# Altium PCB nixie_clock.PcbDoc (part 1 of 2)
Units mm, origin at the board's own origin, x right, y up, seen from the top; angles counter-clockwise.
Board outline 218 x 79.99 mm, 2 copper layers (Top Layer, Bottom Layer); 125 components, 140 nets, 531 pads, 92 vias.
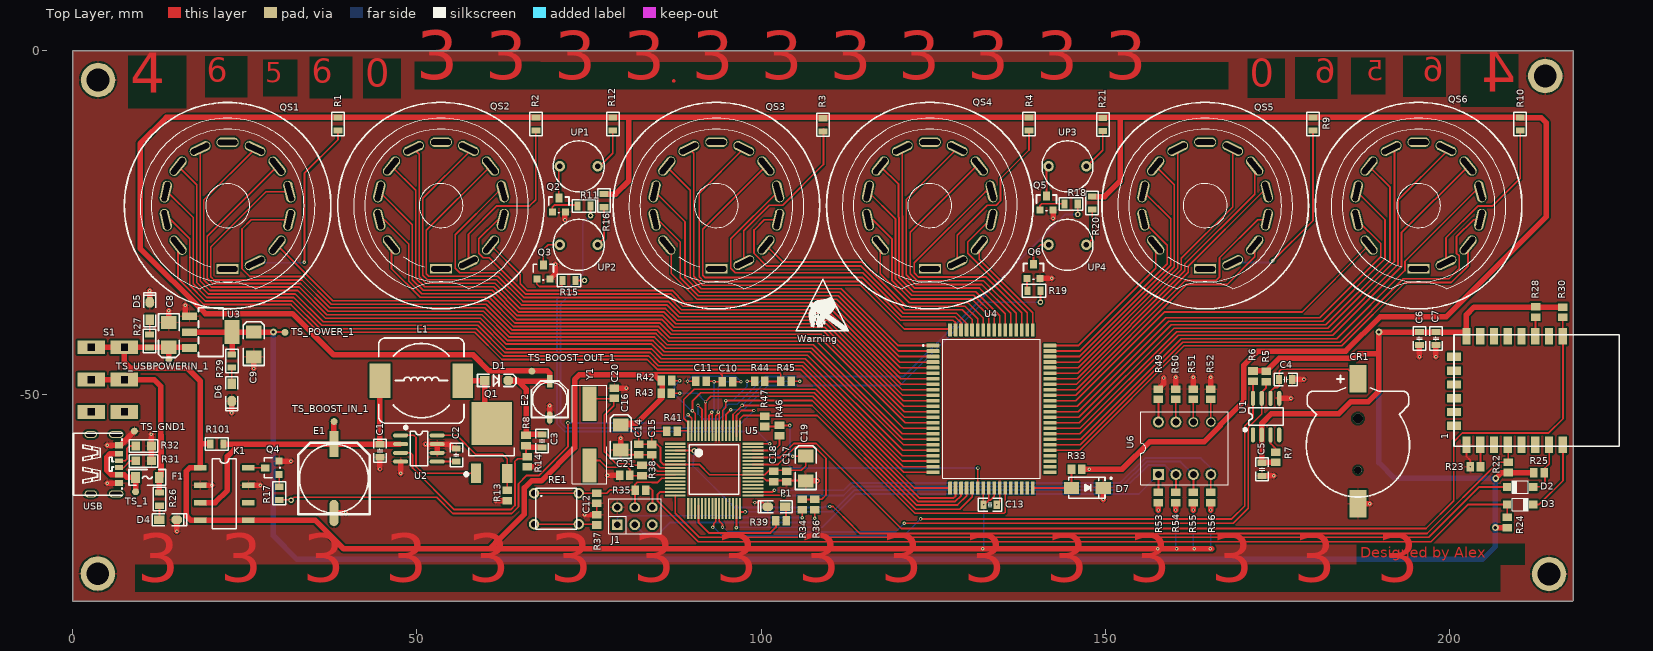
[diagram p0: Top Layer view]
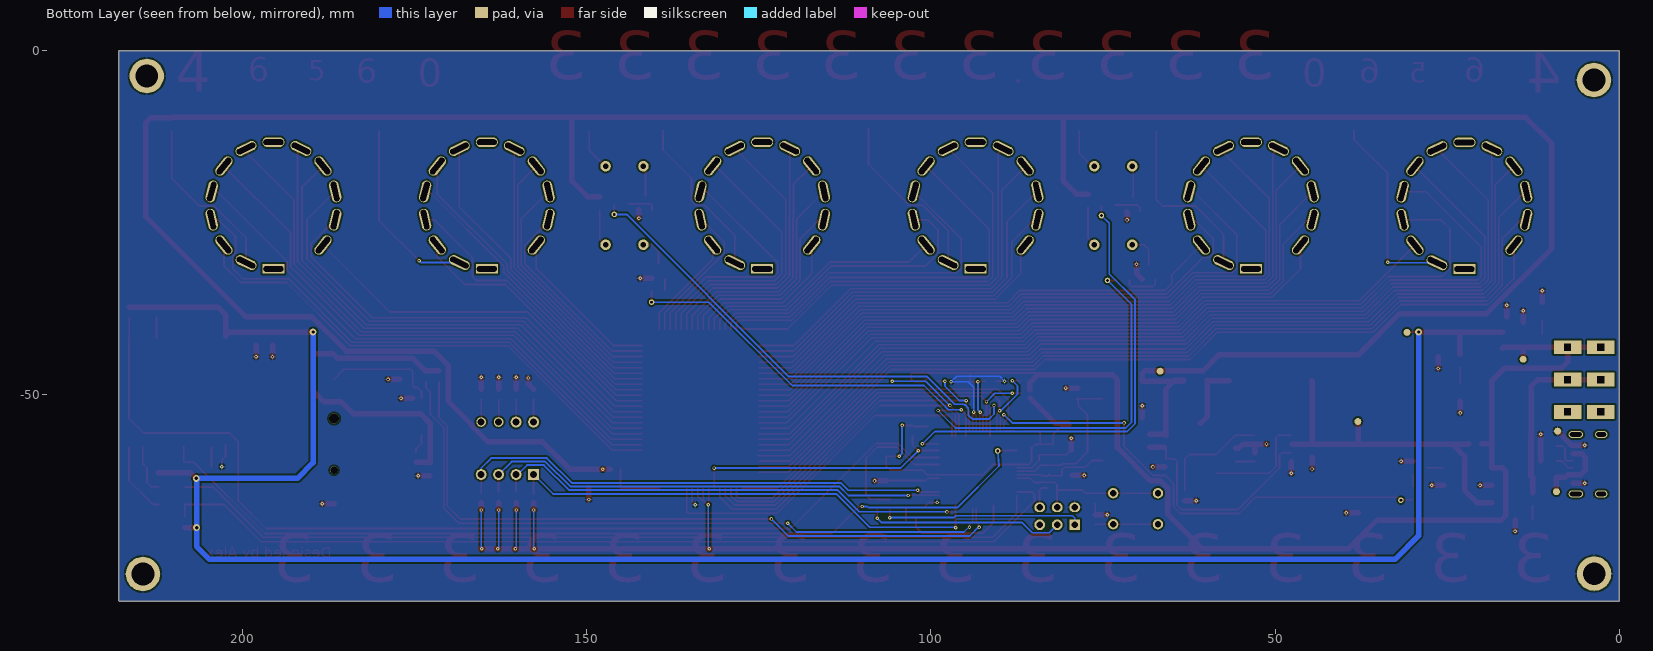
[diagram p1: Bottom Layer view, seen from below]

## Layer stack, top to bottom
Top Solder: solder mask 0.0102, Solder Resist, Dk 3.5
Top Layer: signal copper 0.0356
Dielectric 1: dielectric 0.32, FR-4, Dk 4.8
Bottom Layer: signal copper 0.0356
Bottom Solder: solder mask 0.0102, Solder Resist, Dk 3.5

## Board outline
0,-80 217.88,-80 218,-79.88 218,-0.006 0,-0.006

## Design rules (kind name [scope] priority, off if disabled: settings)
Clearance [All] p1: gap=0.254 ignorepadtopadclearanceinfootprint=FALSE except(0: Arc-Hole Track-Hole SMDPad-Hole THPad-Hole Via-Hole Fill-Hole Poly-Hole Region-Hole Text-Hole)
PolygonConnect [All] p1: connectstyle=Relief reliefconductorwidth=0.254 reliefentries=4 polygonreliefangle="90 Angle" airgapwidth=0.254
RoomDefinition NiXie_tube_clock [InComponentClass('NiXie_tube_clock')] p1: confinementstyle=ConfineIn formatcopy=TRUE lockcomponents=FALSE outline 231.14,-73.482 242.189,-73.482 242.189,-62.56 231.14,-62.56
RoutingVias [All] p1: holewidth=0.25 width=0.5 viastyle="Through Hole" minholewidth=0.25 minwidth=0.5 maxholewidth=0.25 maxwidth=0.5
SolderMaskExpansion [All] p1: expansion=0.102
Width [All] p1: maxlimit=0.254 minlimit=0.254 preferedwidth=0.254
Width power [InNetClass('power')] p2: maxlimit=0.8 minlimit=0.8 preferedwidth=0.8
30 further rules are at their usual default settings.

## Classes and differential pairs
net class power: 3.3V +5VDC GND NetD1_1 NetF1_1 NetF1_2 VCC VCC_SWITCH VH

## Components (designator, comment, footprint, x,y, rotation, side; value= is the part's Value field where it differs from the comment)
1 "ESP8266" ESP8266 202.458,-57.478 r90 top
C1 "104/20+V" "C 0805_L" 44.628,-58.115 r270 top
C2 "104" "C 0805_L" 55.728,-58.725 r270 top
C3 "100PF" "C 0805_L" 68.174,-56.683 r90 top
C4 "104" "C 0805_L" 176.2,-47.752 r180 top
C5 "104" "C 0805_L" 172.771,-60.808 r90 top
C6 "1uF" "C 0805_L" 195.631,-41.808 r270 top
C7 "104" "C 0805_L" 198.018,-41.808 r270 top
C8 "10uF" "CD B(3528)" 13.97,-41.275 r90 top
C9 "10uF" "CD B(3528)" 26.289,-42.672 r270 top
C10 "100nF" C0805 95.098,-48.082 r0 top
C11 "100nF" C0805 91.276,-48.006 r180 top
C12 "0.1uF" C0805 76.124,-65.024 r90 top
C13 "104" "C 0805_L" 133.274,-65.964 r180 top
C14 "100nF" C0805 82.22,-57.937 r270 top
C15 "10nF" C0805 84.099,-57.963 r270 top
C16 "10uF" "CD B(3528)" 79.604,-56.185 r270 top
C17 "100nF" C0805 103.708,-61.849 r270 top
C18 "10nF" C0805 101.854,-61.874 r270 top
C19 "10uF" "CD B(3528)" 106.477,-60.706 r270 top
C20 "22pF" C0805 78.689,-49.759 r270 top
C21 "22pF" C0805 80.188,-61.697 r0 top
CR1 "1220" CR1220_A 186.69,-57.342 r90 top
D1 "IN5817-22" SOD-123#1 61.544,-47.904 r0 top
D2 "MBR0520" SOD-123#2 210.261,-63.398 r0 top
D3 "MBR0520" SOD-123#2 210.261,-65.913 r180 top
D4 "LED2" "LED 0805G" 13.868,-68.123 r0 top
D5 "LED2" "LED 0805G" 11.176,-37.846 r90 top
D6 "LED2" "LED 0805G" 23.114,-49.657 r270 top
D7 "1SMA5945BT3G" SMA 147.396,-63.5 r0 top
E1 "220uF/20+V" "CT 10*8 - C" 37.948,-62.154 r90 top
E2 "300uF/350V" "CT 5*6 - C" 69.291,-50.648 r90 top
F1 "Fuse 1" "FU 1206" 10.846,-62.001 r0 top
J1 "BDM" PIN6 81.813,-67.767 r90 top
K1 "Relay-G6K-Y-TR DC5" G6K-2F 18.527,-60.579 r0 top
L1 "220uH" CDRH129 50.648,-47.93 r0 top
P1 "电源指示" "LED 0805R" 102.235,-66.243 r180 top
Q1 "MTD20N03HDL" TO252 60.858,-58.353 r0 top
Q2 "A42" SOT23 69.548,-23.435 r0 top
Q3 "A42" SOT-23 68.377,-32.156 r0 top
Q4 "A42" SOT-23 28.981,-60.579 r90 top
Q5 "A42" SOT-23 141.453,-22.123 r0 top
Q6 "A42" SOT-23 139.573,-32.055 r0 top
QS1 "QS30-1" QS30-1 22.5,-22.525 r0 top locked
QS2 "QS30-1" QS30-1 53.5,-22.5 r0 top locked
QS3 "QS30-1" QS30-1 93.5,-22.5 r0 top locked
QS4 "QS30-1" QS30-1 124.5,-22.5 r0 top locked
QS5 "QS30-1" QS30-1 164.5,-22.5 r0 top locked
QS6 "QS30-1" QS30-1 195.5,-22.5 r0 top locked
R1 "20K" "R 0805_L" 38.532,-10.658 r90 top
R2 "20K" "R 0805_L" 67.285,-10.668 r90 top
R3 "20K" "R 0805_L" 108.991,-10.77 r90 top
R4 "20K" "R 0805_L" 138.913,-10.643 r90 top
R5 "10K" C0805 173.355,-47.332 r90 top
R6 "10K" C0805 171.45,-47.281 r90 top
R7 "10K" C0805 174.777,-59.055 r90 top
R8 "1.8M" C0805 65.837,-56.632 r90 top
R9 "20K" "R 0805_L" 180.162,-10.668 r90 top
R10 "20K" "R 0805_L" 210.261,-10.668 r90 top
R11 "33K" "R 0805_L" 74.27,-22.581 r180 top
R12 "100K" "R 0805_L" 78.461,-10.643 r270 top
R13 "40mR" C0805 63.144,-64.618 r90 top
R14 "16K" C0805 66.04,-59.715 r90 top
R15 "33K" "R 0805_L" 72.085,-33.376 r180 top
R16 "100K" "R 0805_L" 77.165,-21.793 r270 top
R17 "33K" "R 0805_L" 29.997,-64.298 r90 top
R18 "33K" "R 0805_L" 145.034,-22.276 r180 top
R19 "33K" "R 0805_L" 139.624,-34.874 r180 top
R20 "100K" "R 0805_L" 148.082,-22.149 r270 top
R21 "100K" "R 0805_L" 149.631,-10.719 r270 top
R22 "1K" C0805 208.509,-60.528 r270 top
R23 "1K" C0805 203.747,-60.427 r180 top
R24 "5.6K" C0805 208.382,-68.543 r90 top
R25 "5.6K" C0805 213.004,-61.316 r0 top
R26 "1K" "R 0805_L" 12.598,-65.151 r270 top
R27 "1K" "R 0805_L" 11.151,-42.164 r90 top
R28 "1K" C0805 212.496,-37.973 r270 top
R29 "604R" "R 0805_L" 23.114,-45.085 r270 top
R30 "1K" C0805 216.459,-37.998 r270 top
R31 "5K1" "R 0805_M" 10.287,-59.588 r0 top
R32 "5K1" "R 0805_M" 10.287,-57.429 r180 top
R33 "240K" C0805 145.833,-60.808 r180 top
R34 "51R" C0805 105.969,-65.938 r270 top
R35 "10K" C0805 82.474,-63.83 r0 top
R36 "51R" C0805 107.798,-65.938 r270 top
R37 "100R" C0805 76.098,-68.148 r90 top
R38 "1M" C0805 82.702,-60.985 r270 top
R39 "1K" C0805 102.87,-68.301 r0 top
R41 "1K" C0805 87.046,-55.296 r180 top
R42 "1K" C0805 86.245,-47.904 r180 top
R43 "1K" C0805 86.22,-49.759 r180 top
R44 "1K" C0805 99.797,-48.006 r0 top
R45 "1K" C0805 103.607,-48.006 r180 top
R46 "1K" C0805 102.667,-55.194 r90 top
R47 "1K" C0805 100.508,-53.848 r270 top
R49 "10K" C0805 157.709,-49.911 r90 top
R50 "10K" C0805 160.24,-49.911 r90 top
R51 "10K" C0805 162.772,-49.911 r90 top
R52 "10K" C0805 165.303,-49.911 r90 top
R53 "100K" C0805 157.683,-64.91 r90 top
R54 "100K" C0805 160.223,-64.91 r90 top
R55 "100K" C0805 162.763,-64.91 r90 top
R56 "100K" C0805 165.303,-64.91 r90 top
R101 "0R" "R 0805_L" 20.93,-57.125 r180 top
RE1 "SW DIP-2" 6MManjian 67.234,-64.414 r0 top
S1 "SK-22D02" 钮子开关6脚3档 7.518,-52.477 r180 top
TS_1 "12x16" TP_ROUND 9.131,-64.072 r90 top
TS_BOOST_IN_1 "12x16" TP_ROUND 37.973,-53.873 r90 top
TS_BOOST_OUT_1 "12x16" TP_round 66.7,-46.558 r90 top
TS_GND1 "12x16" TP_round 8.966,-55.27 r90 top
TS_POWER_1 "12x16" TP_round 30.836,-40.919 r90 top
TS_USBPOWERIN_1 "12x16" TP_round 13.97,-44.831 r90 top
U1 "DS3231MZ+" SOIC-8 173.355,-53.162 r90 top
U2 "MAX1771CSA+" SOIC-8 50.292,-57.785 r0 top
U3 "AMS1117-3.3" SOT-223-3_L6.5-W3.4-P2.30-LS7.0-BR 20.066,-40.894 r180 top
U4 "HV57708PG" QFP80P2390X1790X340-80N 133.452,-52.045 r0 top locked
U5 "MC9S08DZ60" "64-LQFP-10 - duplicate" 87.512,-57.097 r0 top
U6 "DIP4" DIP4C 160.542,-57.783 r0 top
UP1 "Neon" Neon 73.5,-16.8 r0 top locked
UP2 "Neon" Neon 73.5,-28.2 r0 top locked
UP3 "Neon" Neon 144.5,-16.8 r0 top locked
UP4 "Neon" Neon 144.5,-28.2 r0 top locked
USB "KH-TYPE-C-6P" TYPE-C-SMD_TYPE-C-31-M-16 4.674,-60.071 r270 top (schematic designator USB_TYPEC_6P)
Warning "12x16" ICO1 108.763,-37.871 r0 top (schematic designator TS_GND?)
Y1 "4MHZ" 4M2P 74.905,-54.889 r270 top

## Footprints (in the part's own frame and the unit in brackets; to place one, negate y for a bottom-side part, rotate by r counter-clockwise, add the part's x,y. Pads: shape width x height; smd on the part's side, far side on the other; paste and mask are expansions set on the pad)
4M2P [mm]
  rect 5x2 smd: 1(-3.628,0.156) 2(5.372,0.156)
  silkscreen extent -6.32,-2.34 8.04,2.66
6MManjian [mm]
  round 1.5 hole 0.9: 1(-0.22,0.13) 2(6.28,0.13) 3(-0.22,-4.37) 4(6.28,-4.37)
  silkscreen extent 0.01,-5.13 5.99,0.88
"64-LQFP-10 - duplicate" [mm]
  rect 3x0.3 smd: 1(0,0) 2(0,-0.5) 3(0,-1) 4(0,-1.5) 5(0,-2) 6(0,-2.5) 7(0,-3) 8(0,-3.5) 9(0,-4) 10(0,-4.5) 11(0,-5) 12(0,-5.5) 13(0,-6) 14(0,-6.5) 15(0,-7) 16(0,-7.5) 33(11.3,-7.5) 34(11.3,-7) 35(11.3,-6.5) 36(11.3,-6) 37(11.3,-5.5) 38(11.3,-5) 39(11.3,-4.5) 40(11.3,-4) 41(11.3,-3.5) 42(11.3,-3) 43(11.3,-2.5) 44(11.3,-2) 45(11.3,-1.5) 46(11.3,-1) 47(11.3,-0.5) 48(11.3,0)
  rect 0.3x3 smd: 17(1.9,-9.4) 18(2.4,-9.4) 19(2.9,-9.4) 20(3.4,-9.4) 21(3.9,-9.4) 22(4.4,-9.4) 23(4.9,-9.4) 24(5.4,-9.4) 25(5.9,-9.4) 26(6.4,-9.4) 27(6.9,-9.4) 28(7.4,-9.4) 29(7.9,-9.4) 30(8.4,-9.4) 31(8.9,-9.4) 32(9.4,-9.4) 49(9.4,1.9) 50(8.9,1.9) 51(8.4,1.9) 52(7.9,1.9) 53(7.4,1.9) 54(6.9,1.9) 55(6.4,1.9) 56(5.9,1.9) 57(5.4,1.9) 58(4.9,1.9) 59(4.4,1.9) 60(3.9,1.9) 61(3.4,1.9) 62(2.9,1.9) 63(2.4,1.9) 64(1.9,1.9)
  silkscreen extent 2.03,-7.36 9.26,-0.14
C0805 [mm] "Chip Capacitor, Body 2.0x1.3mm, IPC High Density"
  rect 1.1x1.4 smd: 1(-0.75,0) 2(0.75,0)
  body extent -1.1,-0.72 1.1,0.72, height 1.4
"C 0805_L" [mil] "无极性贴片电容                                        淘宝ID:黄晶宝石"
  rect 35x50 smd: 1(-37.4,0) 2(37.4,0)
  silkscreen extent -67,-36 67,36, body extent -39,-24 39,24, height 20
"CD B(3528)" [mil] "长3.5mm，宽2.8mm，厚1.9mm      淘宝ID:黄晶宝石"
  rect 75x90 smd: 1(-70.87,-0.01) 2(70.86,-0.01)
  silkscreen extent -130,-60 120,60, body extent -69,-55 69,55, height 75
CDRH129 [mm] "12*12*9.5mm（长宽高）"
  rect 3x5 smd: 1(-6,0) 2(6,0)
  silkscreen extent -6.2,-6.2 6.2,6.2, body extent -6,-6 6,6, height 9.65
CR1220_A [mm] "纽扣电池座                         淘宝ID:黄晶宝石"
  round 1.1 hole 1.1: 0(-3.6,0)
  round 1.45 hole 1.45: 0(3.9,0)
  rect 4x2.5 smd: 1(9.652,0) 2(-8.458,0)
  silkscreen extent -7.5,-7.5 10.16,7.5, body extent -9.42,-7.45 10.34,7.45, height 4.05
"CT 5*6 - C" [mm] "直径5mm，高6mm                           淘宝ID:黄晶宝石"
  rect 1.8x0.8 smd: 1(2.65,0)
  oval 1.8x0.8 smd: 2(-2.65,0)
  silkscreen extent -2.65,-2.65 2.65,2.65, body extent -2.95,-2.65 2.95,2.65, height 6
"CT 10*8 - C" [mm] "直径10mm，高8mm"
  rect 3.8x1.3 smd: 1(5,0)
  oval 3.8x1.3 smd: 2(-5,0)
  silkscreen extent -5.2,-5.2 5.2,5.2, body extent -5.8,-5.15 5.8,5.15, height 8
DIP4C [mm]
  rect 1.575x1.575 hole 1: 1(-2.833,-3.787)
  round 1.575 hole 1: 2(-0.293,-3.787) 3(2.247,-3.787) 4(4.787,-3.787) 7(-0.293,3.833) 8(-2.833,3.833)
  round 1.4 hole 1: 5(4.787,3.833) 6(2.247,3.833)
  silkscreen extent -5.37,-5.31 7.33,5.35
ESP8266 [mm]
  rect 2.4x1.2 smd: 1(0.2,0) 2(0.2,-2) 3(0.2,-4) 4(0.2,-6) 5(0.2,-8) 6(0.2,-10) 7(0.2,-12) 8(0.2,-14) 9(16,-14) 10(16,-12) 11(16,-10) 12(16,-8) 13(16,-6) 14(16,-4) 15(16,-2) 16(16,0)
  rect 1.2x2 smd: 17(13,1.8) 18(11,1.8) 19(9,1.8) 20(7,1.8) 21(5,1.8) 22(3,1.8)
  silkscreen extent 0,-22.2 16.2,1.8
"FU 1206" [mil] "贴片保险丝"
  rect 50x65 smd: 1(-67.5,0) 2(67.5,0)
  silkscreen extent -105,-45 105,45, body extent -63,-32 63,32, height 34
G6K-2F [mm]
  rect 1.8x0.8 smd: 1(0,0) 2(0,-2.54) 3(0,-5.08) 4(0,-7.62) 5(7,-7.62) 6(7,-5.08) 7(7,-2.54) 8(7,0)
  silkscreen extent 1.73,-8.89 5.27,1.27
ICO1 [mm]
  silkscreen extent -3.76,-2.82 3.96,4.75
"LED 0805G" [mil] "绿色0805LED                              淘宝ID:黄晶宝石"
  rect 60x50 smd: 1(-50,0)
  oct 60x50 smd: 2(50,0)
  silkscreen extent -90,-35 105,35, body extent -39,-25 39,25, height 32
"LED 0805R" [mil] "红色0805LED                                       淘宝ID:黄晶宝石"
  rect 60x50 smd: 1(-50,0)
  oct 60x50 smd: 2(50,0)
  silkscreen extent -90,-35 105,35, body extent -39,-25 39,25, height 32
Neon [mm]
  round 1.524 hole 0.8: 1(2.75,0) 2(-2.75,0)
  silkscreen extent -3.7,-3.7 3.7,3.7
PIN6 [mm]
  rect 1.575x1.575 hole 0.9: 1(-1.107,2.704)
  oval 1.4x1.575 hole 0.9: 2(1.433,2.704) 4(1.433,0.164) 6(1.433,-2.376)
  round 1.575 hole 0.9: 3(-1.107,0.164) 5(-1.107,-2.376)
  silkscreen extent -2.38,-3.65 2.7,3.97
QFP80P2390X1790X340-80N [mm]
  rrect25% 1.88x0.55 smd: 1(-8.49,9.2) 2(-8.49,8.4) 3(-8.49,7.6) 4(-8.49,6.8) 5(-8.49,6) 6(-8.49,5.2) 7(-8.49,4.4) 8(-8.49,3.6) 9(-8.49,2.8) 10(-8.49,2) 11(-8.49,1.2) 12(-8.49,0.4) 13(-8.49,-0.4) 14(-8.49,-1.2) 15(-8.49,-2) 16(-8.49,-2.8) 17(-8.49,-3.6) 18(-8.49,-4.4) 19(-8.49,-5.2) 20(-8.49,-6) 21(-8.49,-6.8) 22(-8.49,-7.6) 23(-8.49,-8.4) 24(-8.49,-9.2) 41(8.49,-9.2) 42(8.49,-8.4) 43(8.49,-7.6) 44(8.49,-6.8) 45(8.49,-6) 46(8.49,-5.2) 47(8.49,-4.4) 48(8.49,-3.6) 49(8.49,-2.8) 50(8.49,-2) 51(8.49,-1.2) 52(8.49,-0.4) 53(8.49,0.4) 54(8.49,1.2) 55(8.49,2) 56(8.49,2.8) 57(8.49,3.6) 58(8.49,4.4) 59(8.49,5.2) 60(8.49,6) 61(8.49,6.8) 62(8.49,7.6) 63(8.49,8.4) 64(8.49,9.2)
  rrect25% 0.55x1.88 smd: 25(-6,-11.49) 26(-5.2,-11.49) 27(-4.4,-11.49) 28(-3.6,-11.49) 29(-2.8,-11.49) 30(-2,-11.49) 31(-1.2,-11.49) 32(-0.4,-11.49) 33(0.4,-11.49) 34(1.2,-11.49) 35(2,-11.49) 36(2.8,-11.49) 37(3.6,-11.49) 38(4.4,-11.49) 39(5.2,-11.49) 40(6,-11.49) 65(6,11.49) 66(5.2,11.49) 67(4.4,11.49) 68(3.6,11.49) 69(2.8,11.49) 70(2,11.49) 71(1.2,11.49) 72(0.4,11.49) 73(-0.4,11.49) 74(-1.2,11.49) 75(-2,11.49) 76(-2.8,11.49) 77(-3.6,11.49) 78(-4.4,11.49) 79(-5.2,11.49) 80(-6,11.49)
  silkscreen extent -10.01,-10.1 7.1,10.1
QS30-1 [mm]
  rect 3.2x1.4 hole 0.8 slot 2.9 at 0 deg: 1(0,-9.2)
  oval 3.2x1.4 hole 0.8 slot 2.9 at 25.71 deg rot 25.71: 2(3.992,-8.289) 9(-3.992,8.289)
  oval 3.2x1.4 hole 0.8 slot 2.9 at 51.43 deg rot 51.43: 3(7.193,-5.736) 10(-7.193,5.736)
  oval 3.2x1.4 hole 0.8 slot 2.9 at 77.14 deg rot 77.14: 4(8.969,-2.047) 11(-8.969,2.047)
  oval 3.2x1.4 hole 0.8 slot 2.9 at 106.06 deg rot 102.86: 5(8.969,2.047)
  oval 3.2x1.4 hole 0.8 slot 2.9 at 128.57 deg rot 128.57: 6(7.193,5.736) 13(-7.193,-5.736)
  oval 3.2x1.4 hole 0.8 slot 2.9 at 154.29 deg rot 154.29: 7(3.992,8.289)
  oval 3.2x1.4 hole 0.8 slot 2.9 at 0 deg: 8(0,9.2)
  oval 3.2x1.4 hole 0.8 slot 2.9 at 102.86 deg rot 102.86: 12(-8.969,-2.047)
  silkscreen extent -15,-15 15,15
"R 0805_L" [mil] "1/8W贴片电阻"
  rect 35x50 smd: 1(-37.4,0) 2(37.4,0)
  silkscreen extent -67,-36 67,36, body extent -39,-25 39,25, height 20
"R 0805_M" [mil] "1/8W贴片电阻"
  rect 50x50 smd: 1(-45,0) 2(45,0)
  silkscreen extent -81,-36 81,36, body extent -39,-25 39,25, height 20
SMA [mm] "4.5x2.6*2.2mm（长宽高，不包括引脚）"
  rect 2.2x1.75 smd: 1(-2.3,0) 2(2.3,0)
  silkscreen extent -2.7,-1.52 3.56,1.52, body extent -2.53,-1.3 2.58,1.3, height 2.15
SOD-123#1 [mil] "2.7x1.6X1.1mm（长宽高，不包括引脚） 淘宝ID:黄晶宝石"
  rect 55x50 smd: 1(-67.5,0)
  oct 55x50 smd: 2(67.5,0)
  silkscreen extent -108,-35 112,35, body extent -73,-31 73,31, height 48
SOD-123#2 [mil]
  rect 47.24x47.24 smd: 1(75,0) 2(-75,0)
  silkscreen extent -45,-35 45,35
SOIC-8 [mm] "封装库来自淘宝卖家 ID：黄晶宝石，其他均为盗版"
  oval 2.2x0.6 smd: 1(-2.654,1.905) 2(-2.654,0.635) 3(-2.654,-0.635) 4(-2.654,-1.905) 5(2.654,-1.905) 6(2.654,-0.635) 7(2.654,0.635) 8(2.654,1.905)
  silkscreen extent -2.06,-2.5 1.27,3.2, body extent -3,-2.5 3,2.5, height 1.9
SOT23 [mil] "封装库来自淘宝卖家 ID：黄晶宝石"
  rect 40x40 smd: 1(4.88,0.63) 2(79.88,0.63)
  rect 40x50 smd: 3(41.88,80.63)
  silkscreen extent -15,-4 100,86, body extent -15,-11 99,99, height 47
SOT-23 [mil] "封装库来自淘宝卖家 ID：黄晶宝石"
  rect 40x40 smd: 1(-37.5,-40) 2(37.5,-40)
  rect 40x50 smd: 3(-0.5,40)
  silkscreen extent -58,-45 58,45, body extent -57,-52 57,59, height 47
SOT-223-3_L6.5-W3.4-P2.30-LS7.0-BR [mm]
  rect 2.2x1.1 smd: 1(3.099,-2.3) 2(3.099,0) 3(3.099,2.3)
  rect 2.2x3.5 smd: 4(-3.099,0)
  silkscreen extent -1.8,-3.55 1.8,3.55
TO252 [mil] "252晶体管"
  rect 230x245 smd: D(0,165.35)
  rect 60x110 smd: G(-89.55,-119.77) S(88.45,-120.77)
  silkscreen extent -153,-133 130,28, body extent -128,-120 128,251, height 91
TP_ROUND [mm]
  round 1 all layers, no hole: 1(0,0)
TP_round [mm]
  round 1 all layers, no hole: 1(0,0)
TYPE-C-SMD_TYPE-C-31-M-16 [mm]
  oval 1x2.1 hole 0.6 slot 1.7 at 90 deg: 1(-4.32,1.65) 2(4.32,1.65)
  oval 1x1.8 hole 0.6 slot 1.4 at 90 deg: 3(-4.32,-2.05) 4(4.32,-2.05)
  rect 0.7x1.2 smd: A5(-0.5,2.05) B5(0.5,2.05)
  rect 0.8x1.2 smd: A9(1.52,2.05) B9(-1.52,2.05)
  rect 0.9x1.2 smd: A12(2.75,2.05) B12(-2.75,2.05)
  silkscreen extent -4.5,-4.55 4.5,2.49
钮子开关6脚3档 [mm]
  rect 4x2 hole 1 square: 1(0,0) 2(0,-4.7) 3(0,-9.4) 4(4.8,-9.4) 5(4.8,-4.7) 6(4.8,0)

## Part data
C1 C2 C3 C4 C5 C6 C7 C13: library part C, "贴片电容", BOM名称=无极性贴片电容, 封装库来自淘宝卖家 ID：黄晶宝石=其他店铺购入均为盗版假冒封装库, 技术支持，联系售后=唯一出售店铺网址https://shop463601444.taobao.com
C8 C9: library part Cap2, "钽电容", PackageDescription="Capacitor; 2 Leads", PackageReference=CAPR5-4X5, Published=23-Sep-2002, Publisher="Altium Limited"
C10 C11 C14 C15 C17 C18 C20 C21: library part CAP
C12: library part Cap, "Capacitor", LatestRevisionDate=17-Jul-2002, LatestRevisionNote="Re-released for DXP Platform.", PackageDescription="Radial Cap, Thru-Hole; 2 Leads; 0.3 in Pin Spacing", PackageReference=RAD-0.3, Published=8-Jun-2000, Publisher="Altium Limited"
C16 C19: library part ELE-CAP
CR1: library part CR-3V, "微型电池", BOM名称=微型电池, 免费技术支持，联系售后=唯一出售店铺网址https://shop463601444.taobao.com, 封装库来自淘宝卖家 ID：黄晶宝石=其他店铺购入均为盗版，请立即申请退款，本店提供现金奖励
D1: library part 稳压二极管, "Zener Diode", 封装库来自淘宝卖家 ID：黄晶宝石=其他店铺购入均为盗版假冒封装库, 技术支持，联系售后=唯一出售店铺网址https://shop463601444.taobao.com
D2 D3: library part D, "1N4148"
D4 D5 D6: "Typical RED, GREEN, YELLOW, AMBER GaAs LED", LatestRevisionDate=17-Jul-2002, LatestRevisionNote="Re-released for DXP Platform.", PackageDescription="SM LED; 2 Flat Leads", PackageReference=3.2X1.6X1.1, PackageVersion=Feb-2002, Published=8-Jun-2000, Publisher="Altium Limited"
D7: library part 1SMA5931BT3G, BOM_LCSC Assembly=Yes, BOM_Manufacturer="ON Semicon", BOM_Manufacturer Part=1SMA5931BT3G, BOM_Supplier=LCSC, BOM_Supplier Part=C94872, Contributor=LCSC, SMT Type=Extend, spicePre=D, spiceSymbolName=1SMA5931BT3G
E1 E2: library part CS_SMD, "贴片固态电容", BOM名称=贴片固态电容, 封装库来自淘宝卖家 ID：黄晶宝石=其他店铺购入均为盗版假冒封装库, 技术支持，联系售后=唯一出售店铺网址https://shop463601444.taobao.com
F1: "Fuse", LatestRevisionDate=17-Jul-2002, LatestRevisionNote="Re-released for DXP Platform.", PackageDescription="Thru-Hole; 2 Leads", PackageReference=PIN-W2/E2.8, Published=8-Jun-2000, Publisher="Altium Limited"
K1: library part Relay-G6K, "Relay-G6K-2F DC12", LatestRevisionDate=17-Jul-2002, LatestRevisionNote="Re-released for DXP Platform.", PackageDescription="Relay; 8 Leads", PackageReference=DIP-P8, Published=24-Mar-1999, Publisher="Altium Limited"
L1: library part L, "小功率贴片电感", BOM名称=小功率贴片电感, 封装库来自淘宝卖家 ID：黄晶宝石=其他店铺购入均为盗版假冒封装库, 技术支持，联系售后=唯一出售店铺网址https://shop463601444.taobao.com
P1: library part LED
Q1: library part MOSFET-N, "N-Channel MOSFET", 封装库来自淘宝卖家 ID：黄晶宝石=其他店铺购入均为假冒，请申请退款，本店现金奖励, 技术支持，联系售后=唯一出售店铺网址https://shop463601444.taobao.com
Q2 Q3 Q4 Q5 Q6: library part 2N3904, "NPN General Purpose Amplifier", ComponentLink1Description="Manufacturer Link", ComponentLink1URL=http://www.fairchildsemi.com/, ComponentLink2Description=Datasheet, ComponentLink2URL=http://www.fairchildsemi.com/ds/2N%2F2N3904.pdf, DatasheetVersion=1997, LatestRevisionDate=15-Jan-2003, LatestRevisionNote="PCB Footprint 'BCY-W3/D4.7' replaced", PackageDescription="TO, Flat Index; 3 In-Line, Axial Leads; Body Dia. 4.5mm; Leads 0.51 x 0.48 mm (max)", PackageReference=TO-92A, PackageVersion=Sep-1998, Published=8-Jun-2000, Publisher="Altium Limited"
R1 R2 R3 R4 R9 R10 R11 R12 R15 R16 R17 R18 R19 R20 R21 R26 R27 R29 R35 R37 R101: library part Res2, "Resistor", LatestRevisionDate=17-Jul-2002, LatestRevisionNote="Re-released for DXP Platform.", PackageDescription="Axial Device, Thru-Hole; 2 Leads; 0.4 in Pin Spacing", PackageReference=AXIAL-0.4, Published=8-Jun-2000, Publisher="Altium Limited"
R5 R6 R7 R8 R13 R14 R22 R23 R24 R25 R28 R30 R33 R34 R36 R38 R39 R41 R42 R43 R44 R45 R46 R47 R49 R50 R51 R52 R53 R54 R55 R56: library part RESISTANCE
R31 R32: library part R, "贴片电阻", BOM名称=贴片电阻, 封装库来自淘宝卖家 ID：黄晶宝石=其他店铺购入均为盗版假冒封装库, 技术支持，联系售后=唯一出售店铺网址https://shop463601444.taobao.com
RE1: "DIP Switch, 2 Position, SPST", LatestRevisionDate=17-Jul-2002, LatestRevisionNote="Re-released for DXP Platform.", PackageReference=DIP-4, Published=24-Mar-1999, Publisher="Altium Limited"
S1: library part SSW-2P, "2路波动开关", BOM名称=波动开关, 免费技术支持，联系售后=唯一出售店铺网址https://shop463601444.taobao.com, 封装库来自淘宝卖家 ID：黄晶宝石=其他店铺购入均为盗版假冒封装库，请立即申请退款，本店3~10元现金奖励
TS_1 TS_BOOST_IN_1 TS_BOOST_OUT_1 TS_GND1 TS_POWER_1 TS_USBPOWERIN_1 Warning: library part TTS, "触控弹簧", BOM名称=触控弹簧, 免费技术支持，联系售后=唯一出售店铺网址https://shop463601444.taobao.com, 封装库来自淘宝卖家 ID：黄晶宝石=其他店铺购入均为盗版假冒封装库，请立即申请退款，本店3~10元现金奖励
U1: BOM_JLCPCB Part Class="Extended Part", BOM_Manufacturer=MAXIM, BOM_Manufacturer Part=DS3231MZ+, BOM_Supplier=LCSC, BOM_Supplier Part=C107410, spicePre=U, spiceSymbolName=DS3231MZ+
U2: "Boost, Buck-Boost Regulator Positive Output Step-Up, Step-Up/Step-Down DC-DC Controller IC 8-SOIC", Package="SOIC-8 Maxim", Availability=Unavailable, MF="Maxim Integrated", MP=MAX1771CSA+, Price=None, SnapEDA_Link=https://www.snapeda.com/parts/MAX1771CSA+/Maxim%20Integrated/view-part/578827/?ref=snap
U3: BOM_LCSC Assembly=Yes, BOM_Manufacturer=AMS, BOM_Manufacturer Part=AMS1117-3.3, BOM_Supplier=LCSC, BOM_Supplier Part=C6186, image=//image.lceda.cn/szlcsc/C6186.jpg, SMT Type=Basic, sourceId=dwIGgezVh, spicePre=U, spiceSymbolName=AMS1117-3.3, timeStamp=1476261164
USB: BOM_JLCPCB Part Class="Extended Part", BOM_Manufacturer="Shenzhen Kinghelm Elec", BOM_Manufacturer Part=KH-TYPE-C-6P, BOM_Supplier=LCSC, BOM_Supplier Part=C709355, Contributor=LCSC, spicePre=U, spiceSymbolName=KH-TYPE-C-6P
Y1: library part CRYSTAL

## Free pads (board coordinates)
  round 5 hole 3.3: 1(3.683,-4.267) 2(213.893,-3.683) 3(214.452,-76.022) 4(3.658,-75.971)
  round 0.8 hole 0.4: 75(31.725,-65.302) 78(90.297,-58.141) 79(75.22,-23.962) 80(74.346,-33.376) 81(145.984,-23.785) 82(140.574,-36.535)
  round 0.5 hole 0.25: 87(96.404,-69.291)

## Via types
v1: diameter 0.5, hole 0.25, Top Layer to Bottom Layer, 88 vias
v2: diameter 1, hole 0.5, Top Layer to Bottom Layer, 4 vias

## Nets (pads, with @x,y where several pads share a name; then routed paths per layer and width w, separated by ;. In a path a pad name is that pad's centre, name@x,y a point inside that pad or via, vN(x,y) a via of type N, cw(c..) or ccw(c..) an arc to the next point about the centre after c; other vN are vias at no path point)
3.3V: 1.16 C5.2 C6.1 C7.1 C9.1 R5.2 R6.2 R7.1 R22.2 R24.1 R25.1 R28.1 R29.1 R30.1 TS_POWER_1.1 U1.2 U3.2 U3.4 | length 366.1
  Top Layer w0.254: v2(29.162,-40.872) 30.788,-40.872 TS_POWER_1.1@30.836,-40.919
  Top Layer w0.8: U3.2@16.967,-40.894 U3.4@23.165,-40.894 ; R29.1@23.114,-44.135 23.165,-44.084 U3.4@23.165,-40.894 ; v2(29.162,-40.872) C9.1@26.289,-40.872 26.267,-40.894 U3.4@23.165,-40.894 ; R6.2@171.45,-46.531 173.304,-46.531 R5.2@173.355,-46.582 175.227,-44.71 186.18,-44.71 186.872,-44.018 189.713,-44.018 ; R7.1@174.777,-59.805 172.824,-59.805 C5.2@172.771,-59.858 172.72,-59.807 U1.2@172.72,-55.816 172.72,-54.127 174.092,-52.756 183.896,-52.756 185.623,-51.029 188.177,-51.029 189.741,-49.464 v2(189.741,-40.872) 201.851,-40.872 1.16@202.458,-41.478 202.458,-38.36 203.569,-37.248 R30.1@216.459,-37.248 ; v2(206.653,-69.293) R24.1@208.382,-69.293 ; v2(206.705,-62.128) 207.53,-61.304 208.483,-61.304 208.503,-61.307 208.546,-61.316 R25.1@212.254,-61.316
  Bottom Layer w0.8: v2(29.162,-40.872) 29.162,-70.463 32.588,-73.889 204.775,-73.889 206.653,-72.01 v2(206.653,-69.293) 206.653,-62.181 v2(206.705,-62.128) 192.024,-62.128 189.741,-59.846 v2(189.741,-40.872)
+5VDC: J1.6 R35.2 | length 3.7
  Top Layer w0.254: R35.2@83.083,-63.539 83.91,-63.539 84.215,-63.844 J1.6@84.215,-66.334
BKGD: R34.1 R36.1 U5.42 | length 21.4
  Top Layer w0.254: U5.42@98.812,-60.097 102.445,-60.097 104.969,-57.572 107.777,-57.572 109.423,-59.218 109.423,-64.541 108.814,-65.151 107.835,-65.151 R36.1@107.798,-65.188 R34.1@105.969,-65.188
BOOST_SWITCH: pad.75 R17.1 U5.63 | length 73
  Top Layer w0.254: R17.1@29.997,-65.248 31.67,-65.248 pad.75@31.725,-65.302 32.154,-64.873 52.859,-64.873 55.214,-67.228 63.791,-67.228 64.751,-66.268 64.751,-65.847 ; 64.756,-65.852 64.751,-65.847 ; v1(71.933,-54.077) 71.933,-57.519 67.749,-61.703 65.957,-61.703 64.756,-62.904 64.756,-63.273 64.751,-63.278 64.751,-65.847 ; v1(89.383,-52.883) 89.912,-53.412 U5.63@89.912,-55.197
  Bottom Layer w0.254: v1(71.933,-54.077) 88.189,-54.077 v1(89.383,-52.883)
CpuState: R39.1 U5.20 | length 16.1
  Top Layer w0.254: U5.20@90.913,-66.088 90.913,-68.587 92.38,-70.053 101.346,-70.053 102.145,-69.254 R39.1@102.145,-67.793
DOT0: pad.79 R11.1 U5.48 | length 68.1
  Top Layer w0.254: pad.79@75.22,-23.962 R11.1@75.22,-22.581 ; U5.48@98.812,-57.097 v1(101.221,-57.097)
  Bottom Layer w0.254: pad.79@75.22,-23.962 74.092,-25.09 74.092,-32.436 70.333,-36.195 70.333,-54.16 71.494,-55.321 99.445,-55.321 v1(101.221,-57.097)
DOT1: pad.80 R15.1 U5.50 | length 60
  Top Layer w0.254: R15.1@73.035,-33.376 pad.80@74.346,-33.376 ; U5.50@96.413,-54.788 96.413,-53.015 97.155,-52.273 v1(98.958,-52.273) ; U5.50@96.421,-56.061 96.421,-53.566
  Bottom Layer w0.254: pad.80@74.346,-33.376 70.866,-36.855 70.866,-53.975 71.704,-54.813 96.418,-54.813 v1(98.958,-52.273)
DOT2: pad.82 R19.1 U5.53 | length 57.9
  Top Layer w0.254: U5.53@94.912,-55.197 94.912,-52.815 v1(95.58,-52.146) ; U5.53@94.913,-54.788 94.921,-54.729 U5.53@94.921,-56.061 ; pad.82@140.574,-36.535 R19.1@140.574,-34.874
  Bottom Layer w0.254: v1(95.58,-52.146) 95.602,-52.168 97.493,-52.168 97.862,-51.798 97.862,-51.769 100.994,-48.637 120.146,-48.637 132.248,-36.535 pad.82@140.574,-36.535
DOT3: pad.81 R18.1 U5.60 | length 76.8
  Top Layer w0.254: v1(90.83,-51.537) 91.404,-52.11 91.404,-52.732 ; U5.60@91.413,-54.788 91.413,-52.732 ; U5.60@91.421,-56.061 U5.60@91.421,-53.892 ; pad.81@145.984,-23.785 R18.1@145.984,-22.276
  Bottom Layer w0.254: v1(90.83,-51.537) 90.83,-52.781 91.542,-53.492 94.005,-53.492 94.564,-52.934 94.564,-51.918 95.025,-51.456 95.105,-51.456 95.203,-51.359 96.517,-51.359 100.53,-47.346 120.625,-47.346 144.186,-23.785 pad.81@145.984,-23.785
EXTAL: C20.2 R38.1 U5.9 Y1.1 | length 23.7
  Top Layer w0.254: Y1.1@75.061,-50.55 C20.2@78.689,-50.55 ; C20.2@78.689,-50.509 C20.2@78.689,-50.55 ; 84.049,-60.223 82.714,-60.223 R38.1@82.702,-60.235 81.045,-60.235 80.805,-59.995 78.979,-59.995 77.267,-58.282 77.267,-52.908 78.588,-51.587 78.588,-50.862 78.9,-50.55 C20.2@78.689,-50.55 ; 84.061,-60.235 84.922,-61.097 U5.9@87.512,-61.097
GND: 1.1 C1.2 C2.1 C4.1 C5.1 C6.2 C7.2 C8.2 C9.2 C10.2 C11.2 C12.1 C13.1 C14.2 C15.2 C16.2 C17.2 C18.2 C19.2 C20.1 C21.1 CR1.2 D4.2 D5.2 D6.2 D7.2 E1.2 E2.2 J1.2 K1.2 K1.7 P1.2 pad.1 pad.2 pad.3 pad.4 Q2.2 Q3.2 Q4.2 Q5.2 Q6.2 R13.1 R14.1 R23.2 R31.2 R32.1 R37.2 R49.2 R50.2 R51.2 R52.2 TS_GND1.1 U1.5 U2.4 U2.6 U2.7 U3.1 U4.34 U5.8 U5.38 U5.55 U5.56 USB.A12 USB.B12 | length 126.4
  Top Layer w0.254: R37.2@76.098,-67.398 76.124,-67.373 C12.1@76.124,-65.774 ; C16.2@79.603,-57.985 80.332,-58.713 C15.2@84.099,-58.713 ; C15.2@84.303,-58.699 84.303,-59.538 85.362,-60.597 U5.8@87.512,-60.597 ; v1(89.306,-48.006) C11.2@90.512,-48.006 ; U5.56@93.412,-55.197 93.412,-53.01 v1@93.861,-52.561 ; v1(93.777,-52.502) 93.802,-52.502 v1@93.861,-52.561 ; U5.55@93.912,-55.197 93.912,-52.611 v1@93.861,-52.561 ; C10.2@95.873,-48.108 v1(97.079,-48.108) ; U5.38@98.812,-62.097 100.4,-62.097 100.75,-62.447 106.417,-62.447 C19.2@106.477,-62.506 ; v1(99.085,-65.634) 100.305,-65.634 100.914,-66.243 P1.2@100.965,-66.243 ; v1(134.224,-65.964) 134.652,-65.536 U4.34@134.652,-63.535 ; 1.1@202.458,-57.278 202.458,-58.948 202.997,-59.487 v1(202.997,-60.427)
  Top Layer w0.8: v1(5.022,-62.821) USB.A12@6.724,-62.821 ; v1(5.022,-57.321) USB.B12@6.724,-57.321 6.936,-57.321 8.028,-56.229 8.028,-56.209 TS_GND1.1@8.966,-55.27 ; D5.2@11.176,-36.576 v1(11.176,-34.874) ; R31.2@11.43,-59.588 R32.1@11.43,-57.429 v1(11.43,-55.728) ; C8.2@13.97,-39.475 v1(13.97,-37.773) ; v1(15.138,-69.825) D4.2@15.138,-68.123 ; U3.1@16.358,-38.684 v1(16.358,-36.982) ; K1.2@18.527,-63.119 v1(20.229,-63.119) ; v1(23.114,-52.629) D6.2@23.114,-50.927 ; K1.7@25.527,-63.119 v1(27.229,-63.119) ; v1(26.289,-46.174) C9.2@26.289,-44.472 ; Q4.2@29.997,-59.627 v1(31.699,-59.627) ; E1.2@37.948,-67.154 v1(39.649,-67.154) ; v1(44.628,-60.767) C1.2@44.628,-59.065 ; v1(47.638,-61.392) U2.4@47.638,-59.69 ; v1(51.244,-57.15) U2.7@52.946,-57.15 ; U2.6@52.946,-58.42 U2.7@52.946,-57.15 ; C2.1@55.728,-57.775 55.311,-57.775 54.686,-57.15 U2.7@52.946,-57.15 ; v1(61.443,-65.368) R13.1@63.144,-65.368 ; R14.1@66.04,-60.465 v1(67.742,-60.465) ; E2.2@69.291,-53.298 v1(69.291,-51.596) ; Q3.2@69.329,-33.172 70.129,-32.372 v1(70.129,-31.039) ; v1(71.501,-24.587) 71.501,-23.495 Q2.2@71.577,-23.419 ; v1(74.397,-67.398) R37.2@76.098,-67.398 ; v1(77.736,-61.697) C21.1@79.438,-61.697 ; C20.1@78.689,-49.009 v1(80.391,-49.009) ; C16.2@79.603,-57.985 v1(79.603,-56.283) ; C19.2@106.477,-62.506 v1(108.178,-62.506) ; Q6.2@140.525,-33.071 v1(142.227,-33.071) ; v1(142.405,-24.359) Q5.2@142.405,-23.139 ; v1(149.696,-65.202) D7.2@149.696,-63.5 ; R49.2@157.709,-49.161 158.471,-48.399 v1(158.471,-47.549) ; R50.2@160.24,-49.161 v1(160.24,-47.459) ; R51.2@162.772,-49.161 v1(162.772,-47.459) ; R52.2@165.303,-49.161 v1(165.303,-47.459) ; C5.1@172.771,-61.758 v1(174.473,-61.758) ; U1.5@175.26,-50.508 v1(176.962,-50.508) ; C4.1@177.15,-47.752 v1(178.852,-47.752) ; CR1.2@186.69,-65.8 v1(188.392,-65.8) ; v1(195.631,-44.46) C6.2@195.631,-42.758 ; v1(198.018,-44.46) C7.2@198.018,-42.758
  Bottom Layer w0.254: v1(89.306,-48.006) 90.018,-47.295 96.266,-47.295 v1(97.079,-48.108) 94.564,-48.108 93.777,-48.895 v1(93.777,-52.502)
GPIO_0: 1.4 pad.78 R22.1 U5.3 | length 134.1
  Top Layer w0.254: U5.3@87.512,-58.097 90.254,-58.097 pad.78@90.297,-58.141 ; v1(109.957,-66.218) 110.439,-66.218 113.259,-69.037 113.259,-69.054 114.334,-70.129 196.723,-70.129 207.074,-59.778 R22.1@208.509,-59.778 208.509,-57.553 1.4@208.485,-57.529
  Bottom Layer w0.254: pad.78@90.297,-58.141 90.098,-60.329 96.114,-66.345 109.097,-66.345 109.224,-66.218 v1(109.957,-66.218)
GPIO_15: 1.2 R23.1 | length 2.9
  Top Layer w0.254: 1.2@204.485,-57.529 204.497,-57.541 R23.1@204.497,-60.427
HV_CLK: R46.1 U4.30 U5.46 | length 39.1
  Top Layer w0.254: U5.46@98.812,-58.097 v1(101.847,-58.097) 102.667,-57.277 R46.1@102.667,-55.944 ; U4.30@131.452,-63.535 v1@131.452,-60.649
  Bottom Layer w0.254: v1(101.847,-58.097) 101.861,-58.097 104.394,-60.63 v1(131.496,-60.63)
HV_DIN1: R41.1 U4.25 U5.64 | length 51.4
  Top Layer w0.254: R41.1@87.796,-55.296 87.894,-55.197 U5.64@89.412,-55.197 ; U5.64@89.408,-54.915 89.408,-54.051 88.773,-53.416 88.773,-50.673 90.268,-49.178 107.91,-49.178 122.267,-63.535 U4.25@127.452,-63.535
HV_DIN2: R42.1 U4.26 U5.62 | length 57.8
  Top Layer w0.254: R42.1@86.944,-47.955 v1(88.15,-47.955) ; U5.62@90.424,-55.143 90.424,-52.705 v1(90.018,-52.299) 90.018,-50.902 91.233,-49.686 107.7,-49.686 122.981,-64.968 127.996,-64.968 128.252,-64.712 U4.26@128.252,-63.535
  Bottom Layer w0.254: v1(88.15,-47.955) 87.401,-48.704 87.401,-49.877 89.823,-52.299 v1(90.018,-52.299)
HV_DIN3: R43.1 U4.27 U5.59 | length 54.9
  Top Layer w0.254: R43.1@86.97,-49.759 v1(88.175,-49.759) ; U5.59@91.912,-55.197 v1@91.912,-50.978 ; v1(91.923,-50.978) 92.706,-50.194 107.49,-50.194 122.771,-65.476 128.206,-65.476 129.052,-64.631 U4.27@129.052,-63.535
  Bottom Layer w0.254: v1(88.175,-49.759) 90.703,-49.759 v1(91.923,-50.978)
HV_DIN4: R44.1 U4.28 U5.54 | length 53.4
  Top Layer w0.254: U5.54@94.412,-55.197 94.412,-55.077 94.389,-55.054 94.389,-54.47 94.412,-54.448 94.412,-52.273 94.844,-51.841 v1(94.844,-50.825) 107.402,-50.825 122.561,-65.984 128.529,-65.984 129.852,-64.662 U4.28@129.852,-63.535 ; v1(97.956,-48.006) R44.1@99.162,-48.006
  Bottom Layer w0.254: v1(94.844,-50.825) 95.86,-50.825 97.956,-48.729 v1(97.956,-48.006)
HV_LE: R45.1 U4.29 U5.51 | length 56.9
  Top Layer w0.254: U5.51@95.912,-55.197 95.912,-52.856 v1(97.231,-51.537) 107.395,-51.537 122.457,-66.599 128.854,-66.599 130.652,-64.801 U4.29@130.652,-63.535 ; R45.1@104.407,-48.006 v1(105.613,-48.006)
  Bottom Layer w0.254: v1(97.231,-51.537) 100.762,-48.006 v1(105.613,-48.006)
HV_POL: R47.1 U4.35 U5.49 | length 52
  Top Layer w0.254: U5.49@96.912,-55.197 96.912,-53.507 97.434,-52.984 108.124,-52.984 122.348,-67.208 135.274,-67.208 135.452,-67.031 U4.35@135.452,-63.535 ; U5.49@96.921,-56.061 U5.49@96.921,-53.929
JUMP1: pad.87 R53.2 U5.31 U6.1 | length 70.6
  Top Layer w0.254: pad.87@96.413,-69.291 U5.31@96.413,-66.088 ; R53.2@157.709,-64.41 U6.1@157.709,-61.57
  Bottom Layer w0.254: pad.87@96.404,-69.393 96.557,-69.24 108.89,-69.24 113.741,-64.389 154.889,-64.389 U6.1@157.709,-61.57
JUMP2: R54.2 U5.32 U6.2 | length 69.6
  Top Layer w0.254: U5.32@96.912,-67.005 v1(97.663,-67.005) ; R54.2@160.249,-64.16 U6.2@160.249,-61.57
  Bottom Layer w0.254: v1@97.663,-66.98 110.432,-66.98 113.607,-63.805 152.603,-63.805 156.21,-60.198 158.674,-60.198 160.249,-61.773 U6.2@160.249,-61.57
JUMP3: R55.2 U5.33 U6.3 | length 69.3
  Top Layer w0.254: U5.33@98.812,-64.597 v1@103.195,-64.597 ; R55.2@162.789,-64.16 U6.3@162.789,-61.57
  Bottom Layer w0.254: v1(103.276,-64.618) 111.963,-64.618 113.284,-63.297 152.393,-63.297 156,-59.69 160.909,-59.69 U6.3@162.789,-61.57
JUMP4: R56.2 U5.34 U6.4 | length 72.9
  Top Layer w0.254: U5.34@98.812,-64.097 101.689,-64.097 v1(101.93,-63.856) ; R56.2@165.329,-64.41 U6.4@165.329,-61.57
  Bottom Layer w0.254: v1(101.93,-63.856) 112.007,-63.856 113.074,-62.789 152.171,-62.789 155.778,-59.182 163.881,-59.182 165.329,-60.63 U6.4@165.329,-61.57
Net1_7: 1.7 D2.1 R25.2 | length 7.4
  Top Layer w0.254: D2.1@212.166,-63.398 212.23,-63.334 213.246,-63.334 213.868,-62.713 213.868,-60.63 214.485,-60.012 1.7@214.485,-57.529
Net1_8: 1.8 D3.2 | length 10.7
  Top Layer w0.254: D3.2@212.166,-65.913 213.03,-65.913 216.485,-62.457 1.8@216.485,-57.529
Net1_11: 1.11 R28.2 | length 3
  Top Layer w0.254: 1.11@212.485,-41.729 212.496,-41.718 R28.2@212.496,-38.723
NetC2_2: C2.2 U2.5 | length 2.8
  Top Layer w0.254: U2.5@52.946,-59.69 55.712,-59.69 C2.2@55.728,-59.675
NetC3_1: C3.1 R8.1 R14.2 U2.3 | length 33.9
  Top Layer w0.254: U2.3@47.638,-58.42 49.073,-58.42 49.352,-58.699 49.352,-60.612 55.408,-66.667 63.633,-66.667 64.243,-66.058 64.243,-62.98 64.248,-62.975 64.248,-59.866 64.225,-59.843 64.225,-59.676 64.629,-59.272 65.811,-59.272 65.837,-59.247 R8.1@65.837,-57.382 R8.1@66.088,-57.633
  Top Layer w0.8: R8.1@66.088,-57.633 C3.1@68.174,-57.633
NetC4_2: C4.2 CR1.1 U1.6 | length 16.9
  Top Layer w0.254: U1.6@173.99,-50.508 173.99,-49.479 174.523,-48.946 174.981,-48.946 175.25,-48.677 C4.2@175.25,-47.752 175.25,-46.594 175.565,-46.279 185.279,-46.279 CR1.1@186.69,-47.69
NetD1_1: D1.1 L1.2 Q1.D | length 9.9
  Top Layer w0.8: L1.2@56.648,-47.93 59.804,-47.93 D1.1@59.83,-47.904 59.83,-53.124 Q1.D@60.858,-54.153
NetD4_1: D4.1 R26.2 | length 2
  Top Layer w0.254: D4.1@12.598,-68.123 R26.2@12.598,-66.101
NetD5_1: D5.1 R27.2 | length 2.2
  Top Layer w0.254: R27.2@11.176,-41.275 D5.1@11.176,-39.116
NetD6_1: D6.1 R29.2 | length 2.4
  Top Layer w0.254: D6.1@23.114,-48.387 R29.2@23.114,-46.035
NetD7_1: D7.1 R33.2 U4.40 | length 8.3
  Top Layer w0.254: U4.40@139.452,-63.535 145.062,-63.535 145.083,-63.513 R33.2@145.083,-60.808
NetF1_1: F1.1 TS_1.1 USB.A9 USB.B9 | length 10.6
  Top Layer w0.8: USB.B9@6.724,-58.551 5.457,-58.551 4.953,-59.055 4.953,-60.96 5.584,-61.591 USB.A9@6.724,-61.591 7.469,-61.591 7.879,-62.001 F1.1@9.131,-62.001 TS_1.1@9.131,-64.072
NetF1_2: F1.2 R26.1 S1.2 S1.5 | length 26.1
  Top Layer w0.8: S1.5@2.718,-47.777 S1.2@7.518,-47.777 11.811,-47.777 12.817,-48.784 12.817,-55.89 ; R26.1@12.598,-64.201 12.56,-64.163 F1.2@12.56,-62.001 12.827,-61.735 12.827,-55.88